# Altium PCB PCB.PcbDoc (part 1 of 2)
Units mm, origin at the board's own origin, x right, y up, seen from the top; angles counter-clockwise.
Board outline 115.57 x 69.85 mm, 6 copper layers (Layer 1, Layer 2, Layer 3, Layer 4, Layer 5, Layer 6), stack 1.114 mm thick; 79 components, 52 nets, 254 pads, 1729 vias.
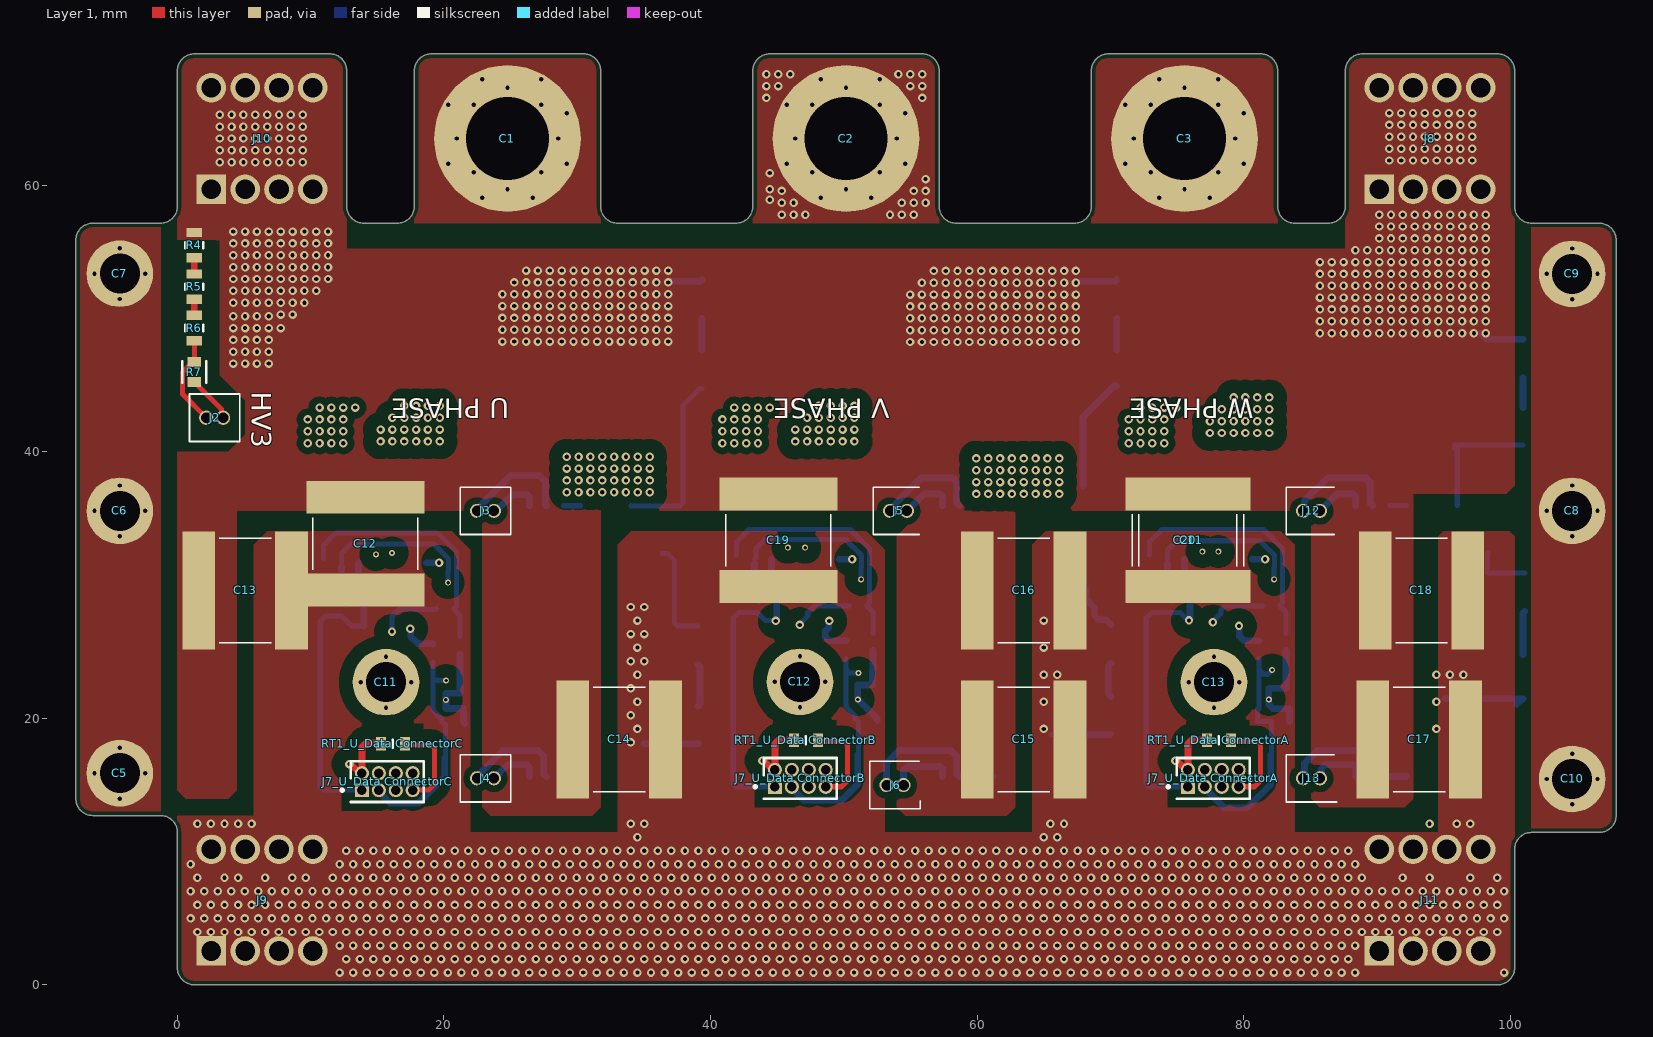
[diagram p0: Layer 1 view]
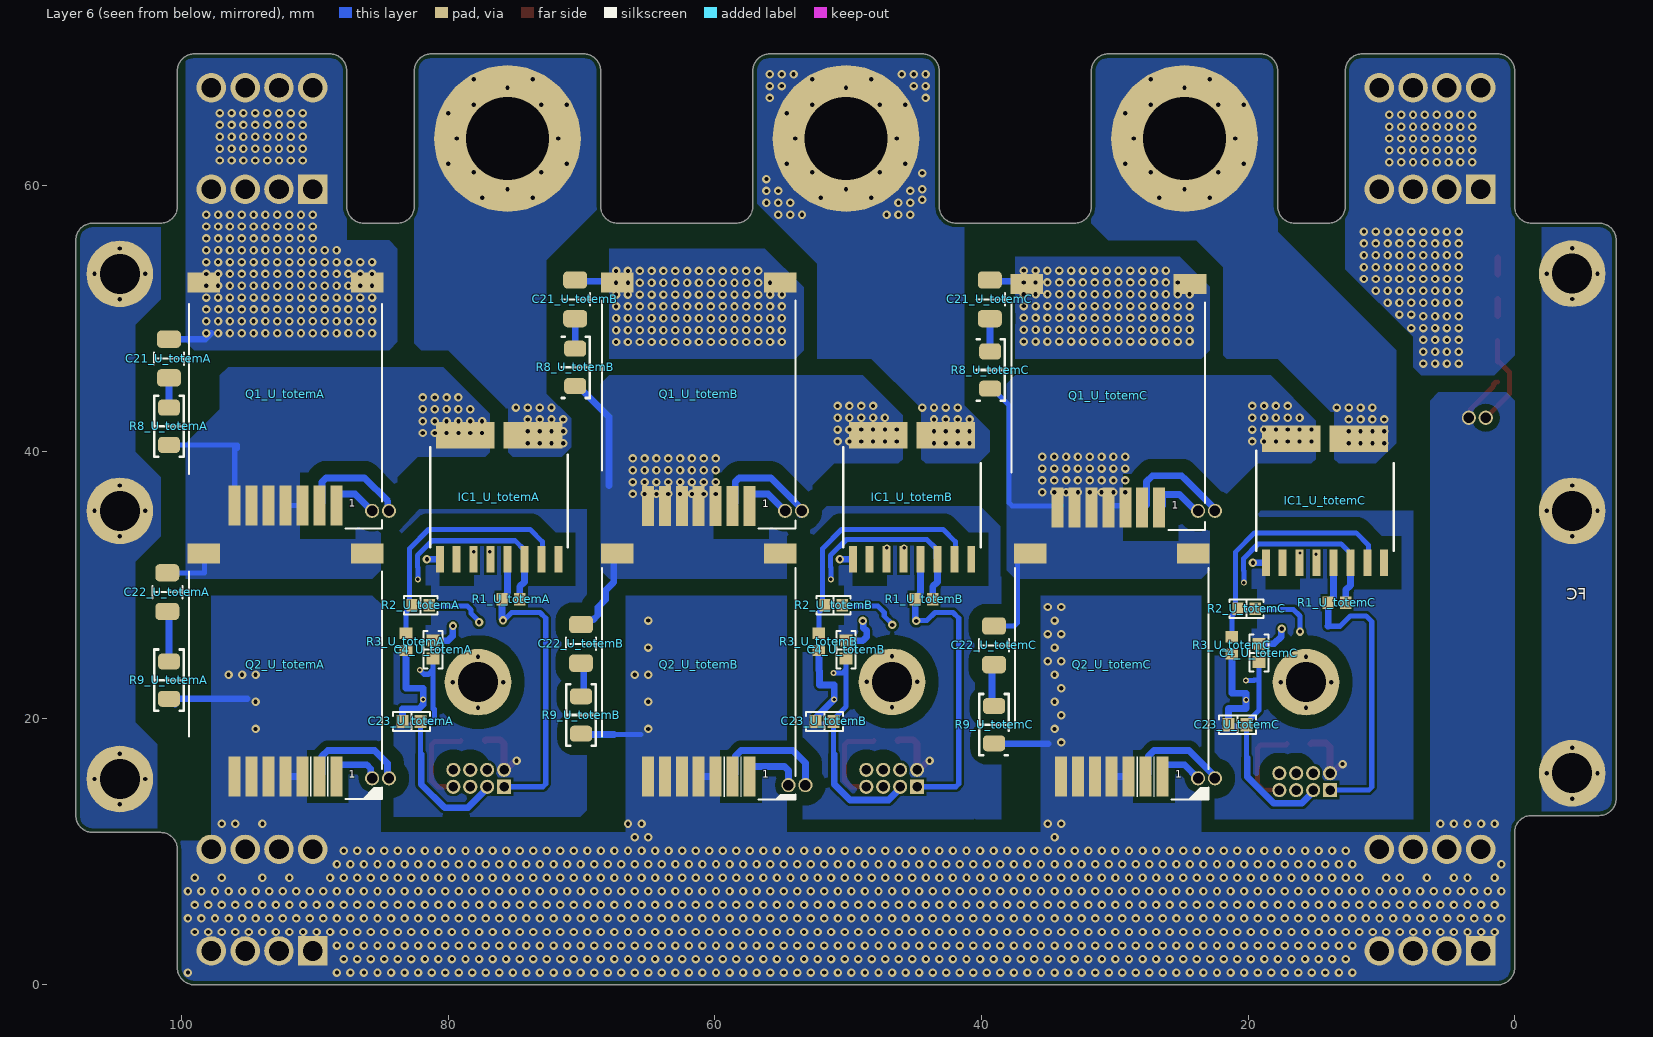
[diagram p1: Layer 6 view, seen from below]
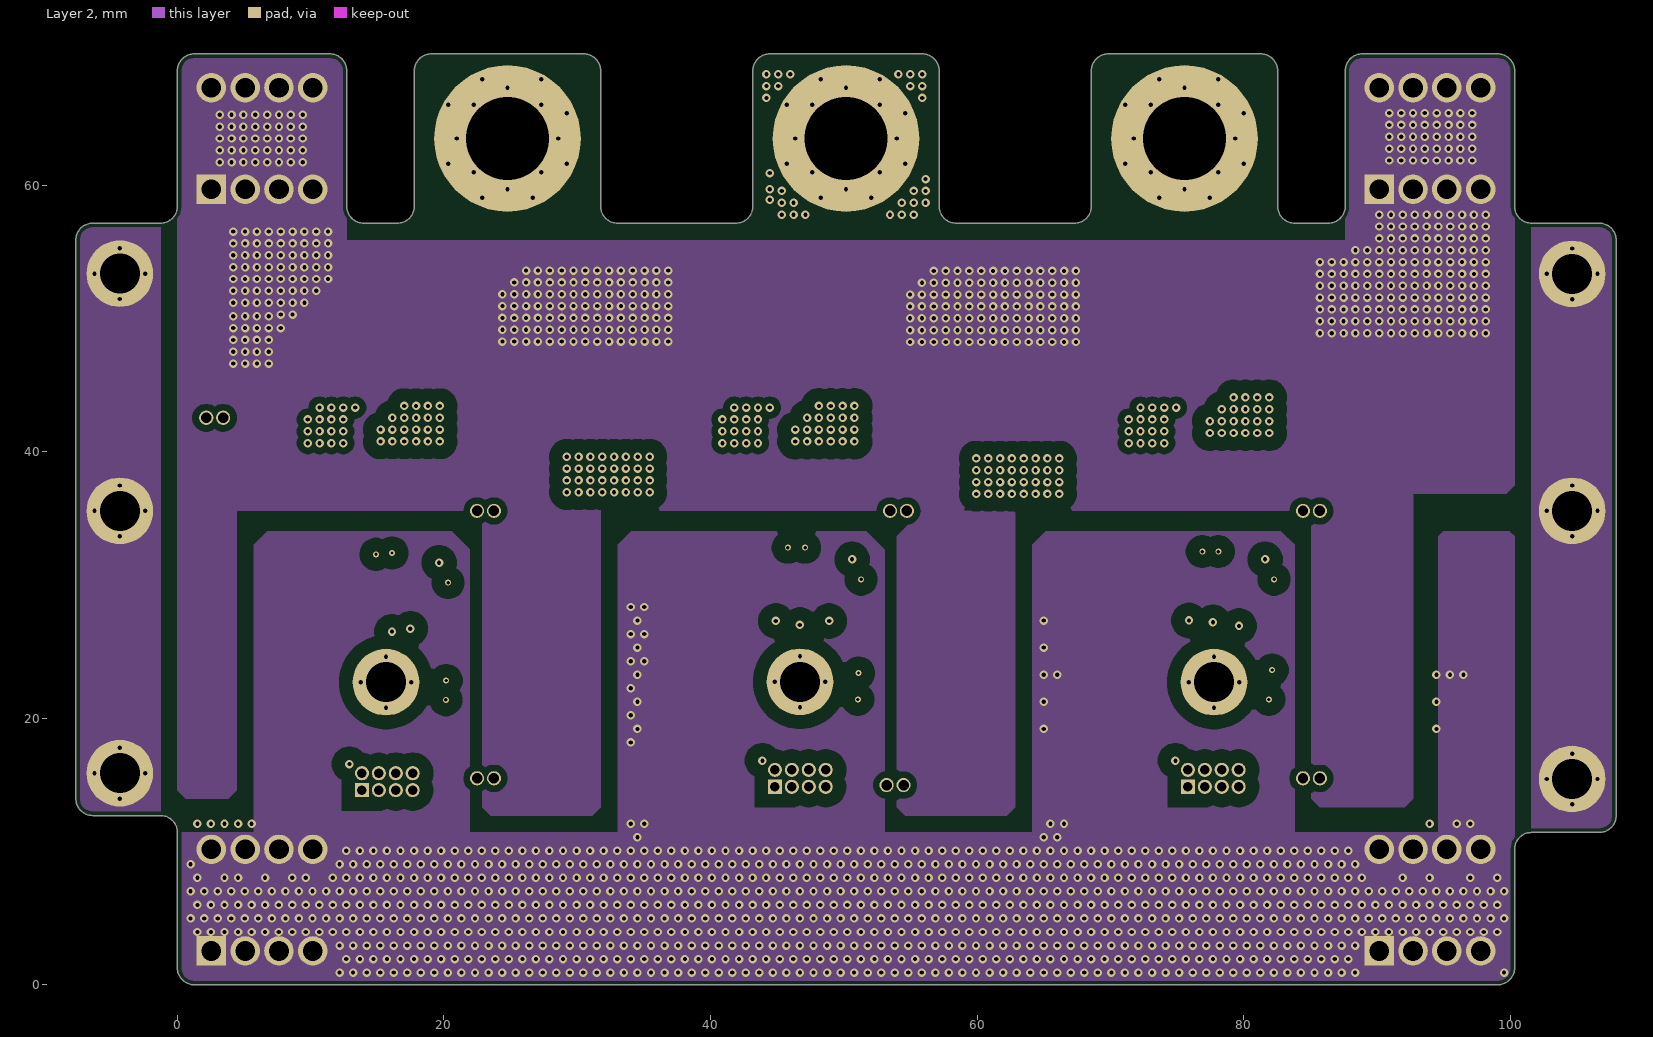
[diagram p2: Layer 2]
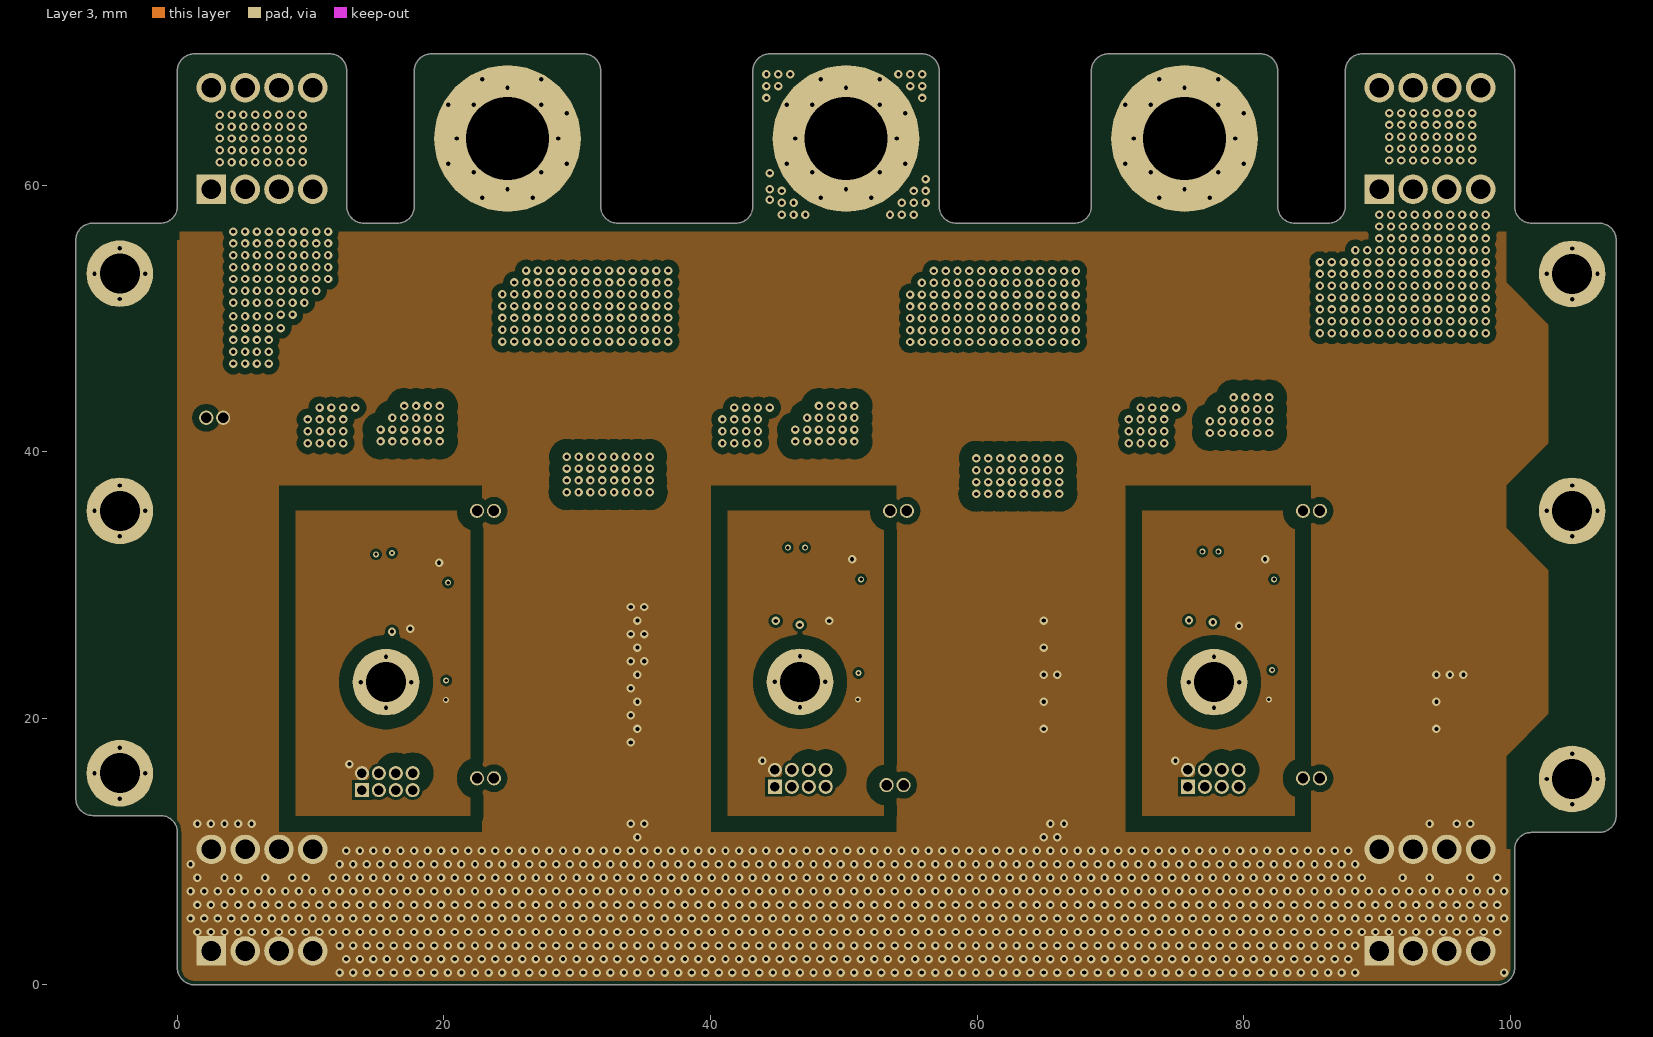
[diagram p3: Layer 3]
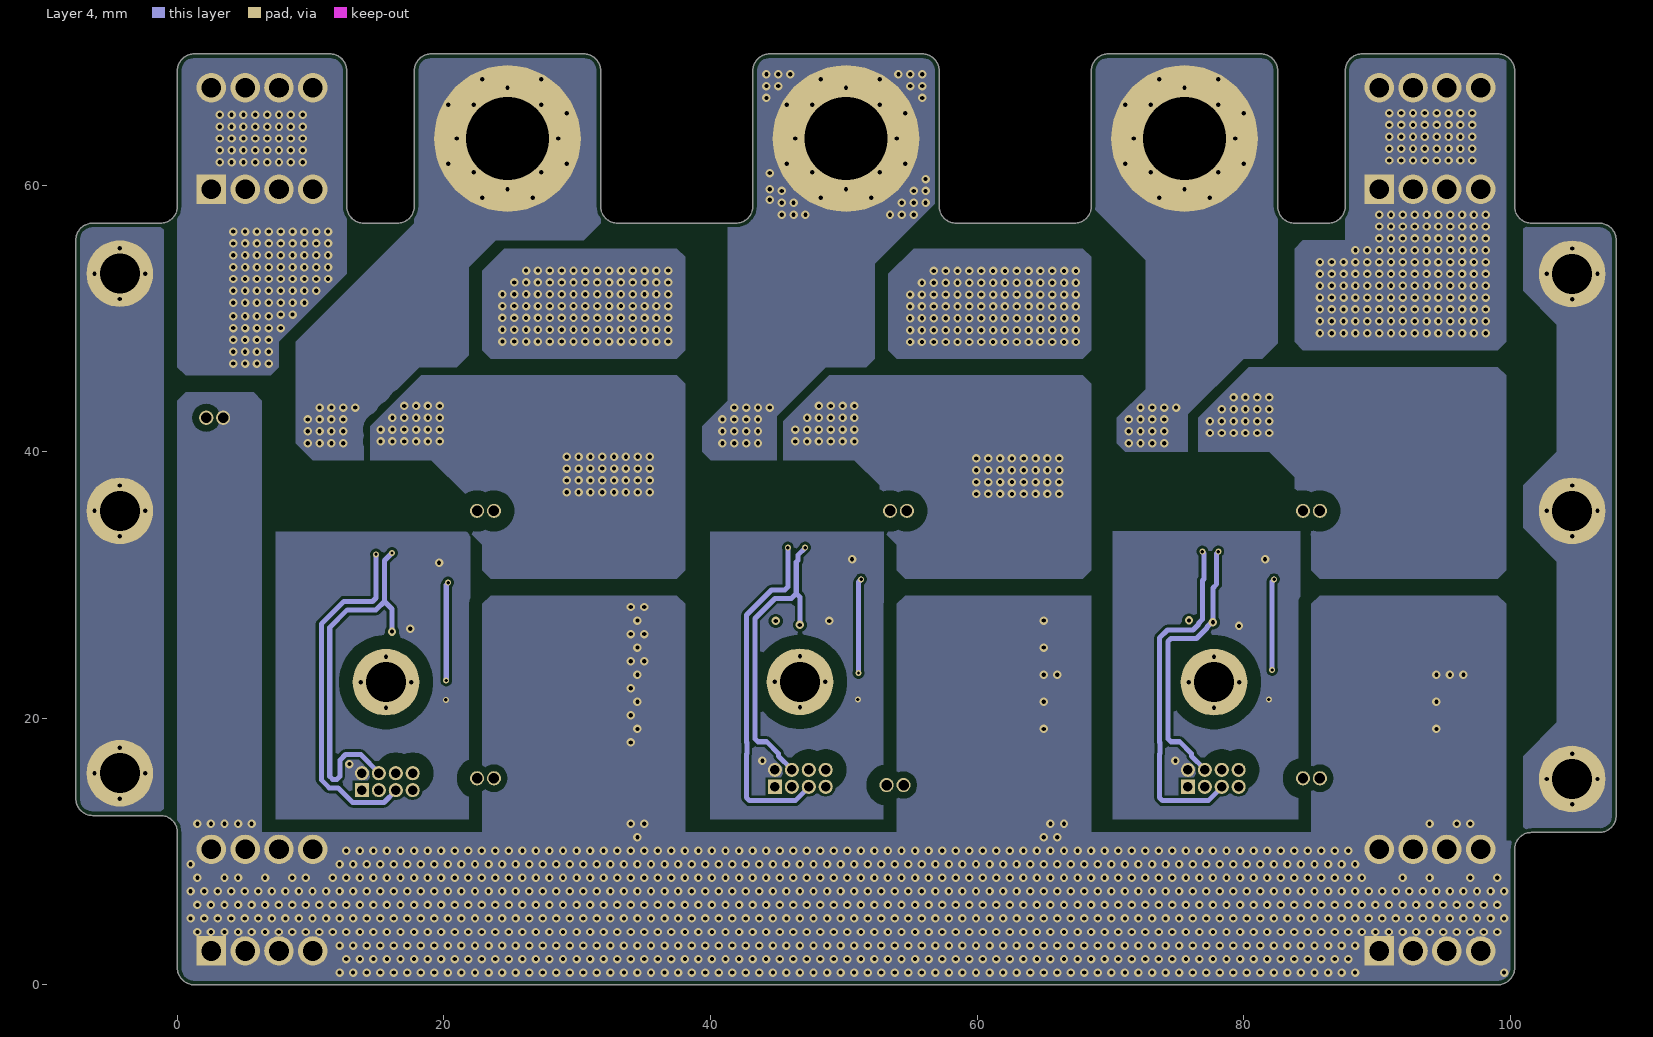
[diagram p4: Layer 4]
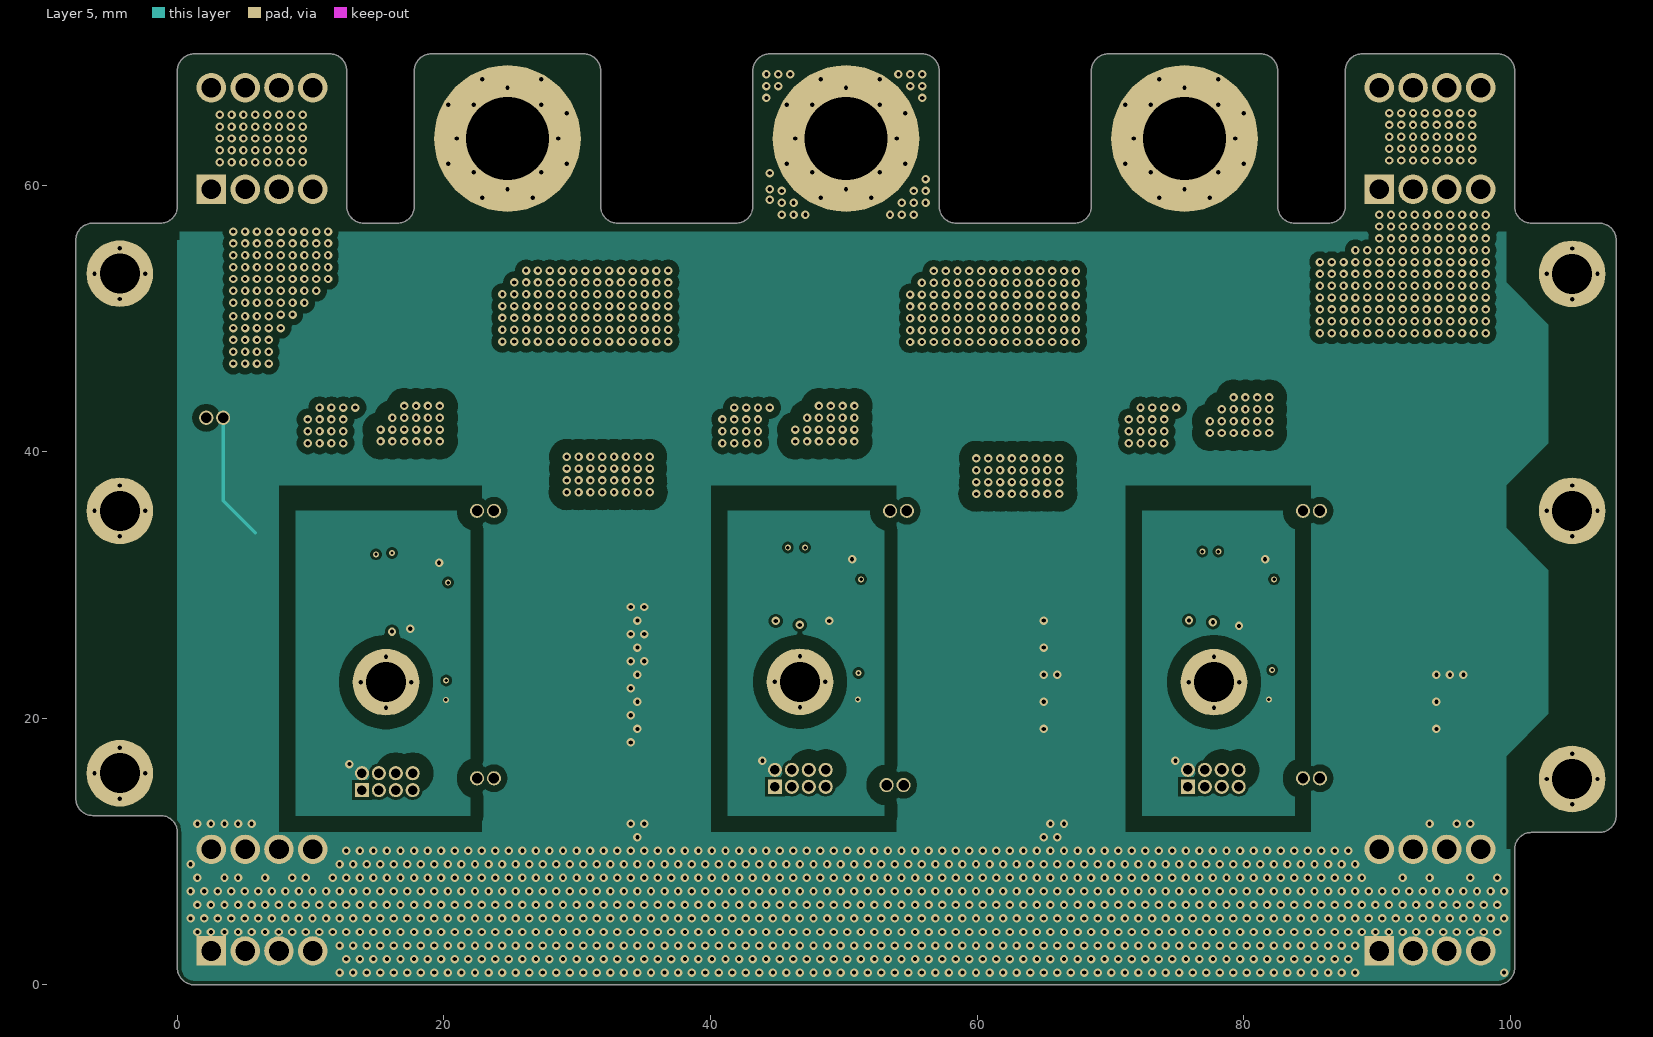
[diagram p5: Layer 5]
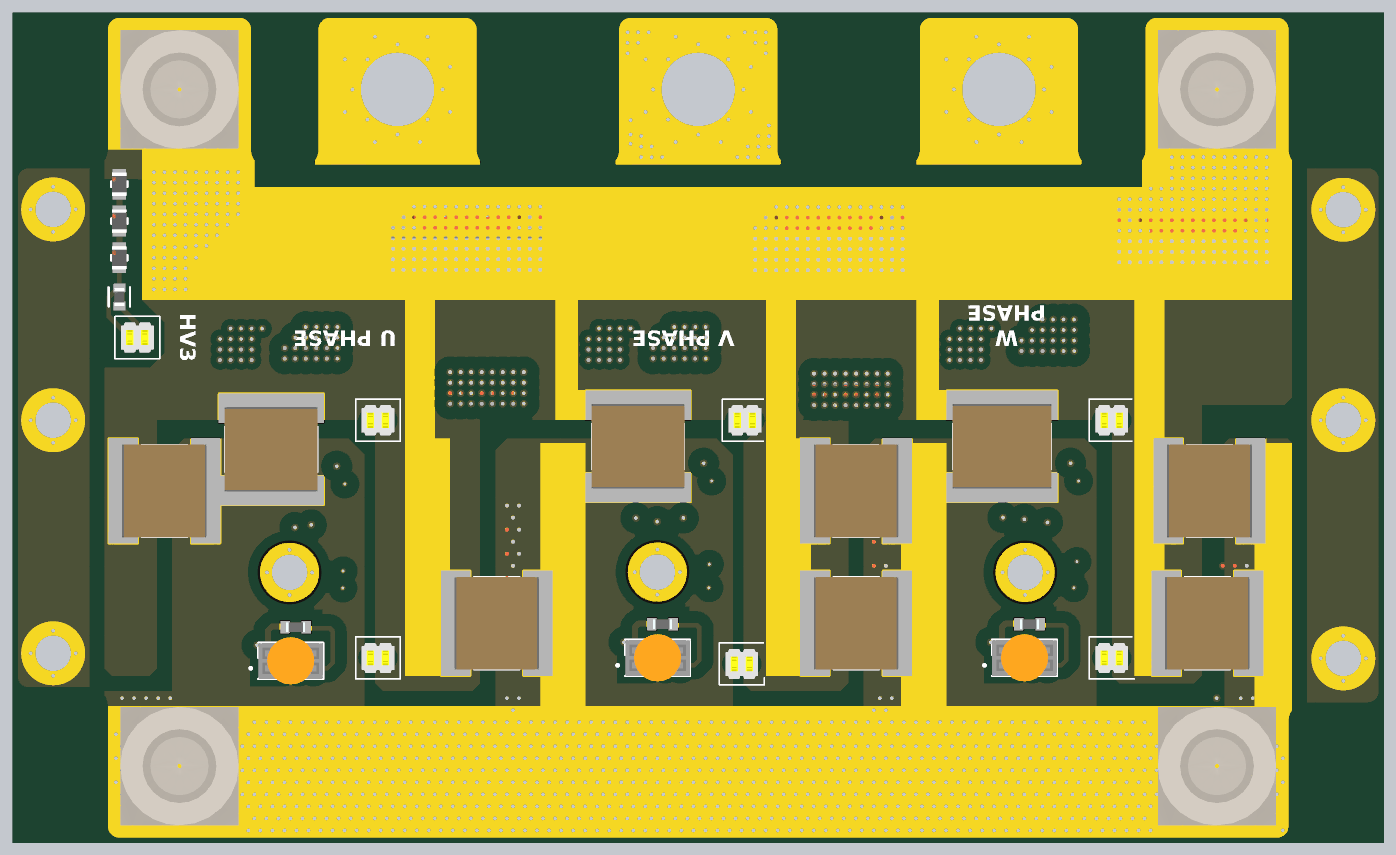
[diagram p7: 3D render of the assembled board from above, using the file's embedded part models]
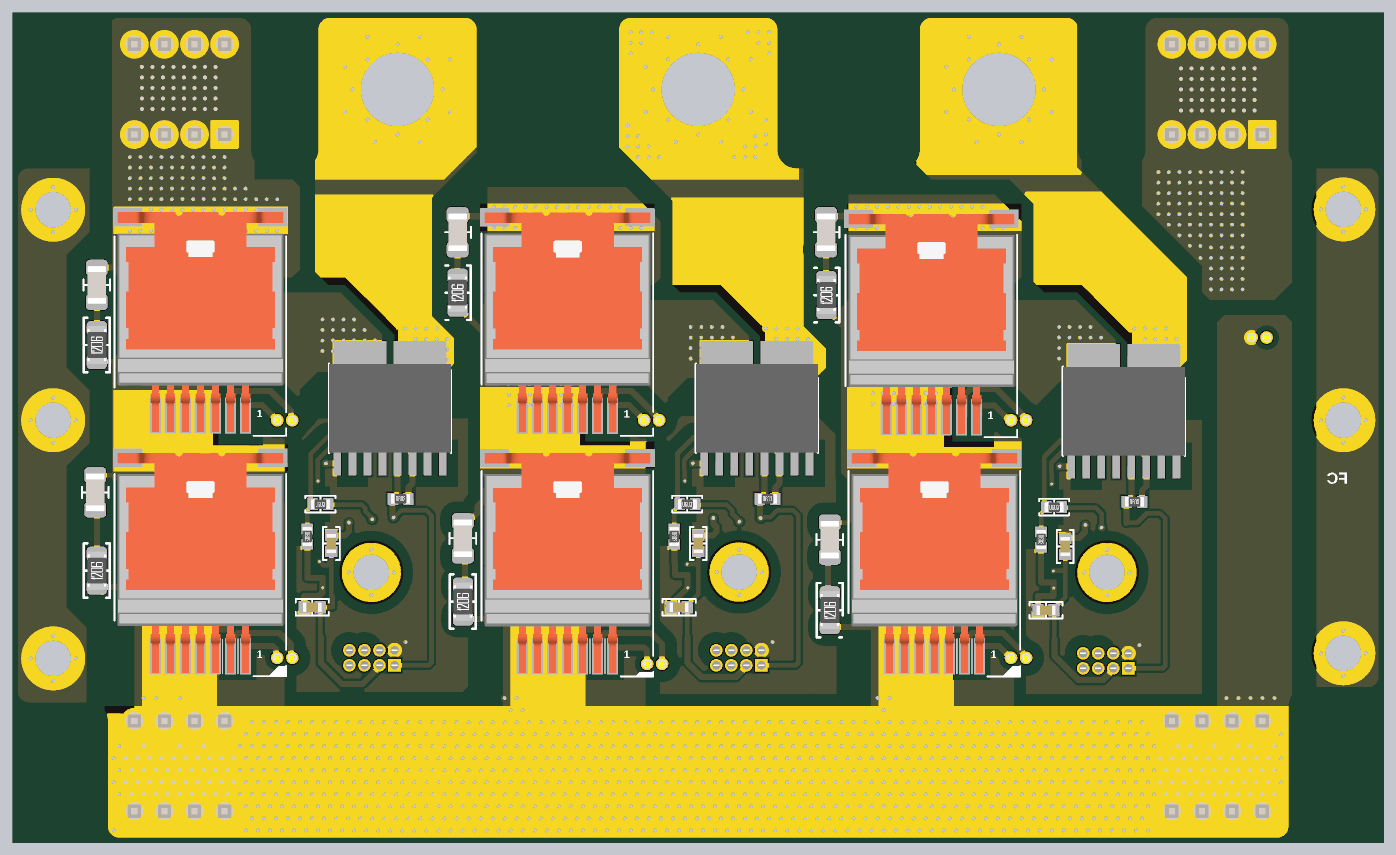
[diagram p8: 3D render of the assembled board from below, using the file's embedded part models]

## Layer stack, top to bottom
Top Solder: solder mask 0.0254, SM-001, Dk 4
Layer 1: signal copper 0.035
Dielectric 2: prepreg 0.0711, PP-006, Dk 4.1
Layer 2: signal copper 0.035
Dielectric 4: core 0.254, PP-006, Dk 4.1
Layer 3: signal copper 0.035
Dielectric 1: core 0.254, Core-043, Dk 4.6
Layer 4: signal copper 0.035
Dielectric 5: core 0.254, PP-006, Dk 4.1
Layer 5: signal copper 0.035
Dielectric 3: prepreg 0.0711, PP-006, Dk 4.1
Layer 6: signal copper 0.035
Bottom Solder: solder mask 0.0254, SM-001, Dk 4

## Board outline
-7.62,13.97 ccw(c-6.35,13.97) -6.35,12.7 -1.27,12.7 cw(c-1.27,11.43) 0,11.43 0,1.27 ccw(c1.27,1.27) 1.27,0 99.06,0 ccw(c99.06,1.27) 100.33,1.27 100.33,10.16 cw(c101.6,10.16) 101.6,11.43 106.68,11.43 ccw(c106.68,12.7) 107.95,12.7 107.95,55.88 ccw(c106.68,55.88) 106.68,57.15 101.6,57.15 cw(c101.6,58.42) 100.33,58.42 100.33,68.58 ccw(c99.06,68.58) 99.06,69.85 88.9,69.85 ccw(c88.9,68.58) 87.63,68.58 87.63,58.42 cw(c86.36,58.42) 86.36,57.15 83.82,57.15 cw(c83.82,58.42) 82.55,58.42 82.55,68.58 ccw(c81.28,68.58) 81.28,69.85 69.85,69.85 ccw(c69.85,68.58) 68.58,68.58 68.58,58.42 cw(c67.31,58.42) 67.31,57.15 58.42,57.15 cw(c58.42,58.42) 57.15,58.42 57.15,68.58 ccw(c55.88,68.58) 55.88,69.85 44.45,69.85 ccw(c44.45,68.58) 43.18,68.58 43.18,58.42 cw(c41.91,58.42) 41.91,57.15 33.02,57.15 cw(c33.02,58.42) 31.75,58.42 31.75,68.58 ccw(c30.48,68.58) 30.48,69.85 19.05,69.85 ccw(c19.05,68.58) 17.78,68.58 17.78,58.42 cw(c16.51,58.42) 16.51,57.15 13.97,57.15 cw(c13.97,58.42) 12.7,58.42 12.7,68.58 ccw(c11.43,68.58) 11.43,69.85 1.27,69.85 ccw(c1.27,68.58) 0,68.58 0,58.42 cw(c-1.27,58.42) -1.27,57.15 -6.35,57.15 ccw(c-6.35,55.88) -7.62,55.88

## Design rules (kind name [scope] priority, off if disabled: settings)
AcuteAngle [All] p1 off: minimum=6.00000000000000E+0001 checktracksonly=FALSE
AssemblyTestpoint [All] p1: testpointundercomponent=TRUE minsize=1.016 maxsize=2.54 preferedsize=1.524 minholesize=0 maxholesize=1.016 preferedholesize=0.813 testpointgrid=0.025 usegrid=TRUE gridtolerance=0 allowsidetop=TRUE
BackDrilling [All] p1: maxstublength=0.381 usetopbackdrill=TRUE usebottombackdrill=TRUE holeoversize=0.025 holetolplus=0 holetolminus=0
BoardOutlineClearance [All] p1: gap=0.305 ignorepadtopadclearanceinfootprint=FALSE
Clearance HV-LV [InNetClass('HV') vs InNetClass('LV')] p1: gap=1 ignorepadtopadclearanceinfootprint=TRUE
Clearance HV-HV [InNetClass('HV') vs InNetClass('HV')] p2: gap=0.2 ignorepadtopadclearanceinfootprint=TRUE except(0.5: Arc-Poly Track-Poly SMDPad-Poly THPad-Poly Via-Poly Fill-Poly Poly-Poly Poly-Undefined)
Clearance LV-LV [InNetClass('LV') vs InNetClass('LV')] p3: gap=0.2 ignorepadtopadclearanceinfootprint=FALSE
Clearance Manufacturable [All] p4: gap=0.203 ignorepadtopadclearanceinfootprint=FALSE except(1.016: Track-Poly SMDPad-Poly THPad-Poly Via-Poly)
ComponentClearance [All] p1 off: gap=0.127 collisioncheckmode=3 verticalgap=1.016 showdistances=FALSE checkcomponentboundary=TRUE
ComponentOrientations [All] p1: allowedrotations=32
DiffPairsRouting [All] p1: maxlimit=0.254 minlimit=0.254 mostfreqgap=0.254 toplayer_minwidth=0.381 toplayer_maxwidth=0.381 toplayer_prefwidth=0.381 midlayer1_minwidth=0.381 midlayer1_maxwidth=0.381 midlayer1_prefwidth=0.381 midlayer3_minwidth=0.381 midlayer3_maxwidth=0.381 midlayer3_prefwidth=0.381 midlayer4_minwidth=0.381 midlayer4_maxwidth=0.381 midlayer4_prefwidth=0.381 midlayer6_minwidth=0.381 midlayer6_maxwidth=0.381 midlayer6_prefwidth=0.381 bottomlayer_minwidth=0.381 bottomlayer_maxwidth=0.381 bottomlayer_prefwidth=0.381 maxuncoupledlength=12.7
FabricationTestpoint [All] p1: side=1 testpointundercomponent=FALSE minsize=1.016 maxsize=2.54 preferedsize=1.524 minholesize=0 maxholesize=1.016 preferedholesize=0.813 testpointgrid=0.025 allowsidetop=TRUE usegrid=TRUE gridtolerance=0
HoleSize [All] p1: absolutevalues=TRUE maxlimit=6.604 minlimit=0.2 maxpercent=80.000 minpercent=20.000
HoleToHoleClearance [All] p1: gap=0.127 allowstackedmicrovias=FALSE
Length [All] p1: maxlimit=254 minlimit=0
MatchedLengths MatchedLengthsPair [All] p1 off: tolerance=25.4 checknetsindiffpair=TRUE checkdiffpairvsdiffpair=FALSE checkxsignals=FALSE checkothers=FALSE usedelayunits=TRUE delaytolerance=30.000000
MatchedLengths MatchedLengthsGroup [InDifferentialPairClass('All Differential Pairs')] p2 off: tolerance=25.4 checknetsindiffpair=FALSE checkdiffpairvsdiffpair=TRUE checkxsignals=TRUE checkothers=TRUE usedelayunits=TRUE delaytolerance=50.000000
MaximumViaCount [All] p1 off: limit=100
MinimumAnnularRing [All] p1: minimumring=0.1
MinimumSolderMaskSliver [All] p1 off: minsoldermaskwidth=0.025
OvershootFalling [All] p1: maximum=300.0m
OvershootRising [All] p1: maximum=300.0m
ParallelSegment [All] p1: limit=25.4 gap=0.254
PasteMaskExpansion [All] p1: expansion=0.025
PermittedLayers [All] p1: toplayerpermitted=TRUE bottomlayerpermitted=TRUE
PlaneClearance [All] p1: clearance=0.635
PlaneConnect [All] p1: planeconnectstyle=Direct reliefexpansion=0.508 reliefentries=4 reliefconductorwidth=0.381 reliefairgap=0.254
PolygonConnect [All] p1: connectstyle=Direct reliefconductorwidth=0.381 reliefentries=4 polygonreliefangle="90 Angle" airgapwidth=0.254
ReturnPath [All] p1: _gaplimit=0
RoutingCorners [All] p1: cornerstyle=45-Degree minsetback=2.54 maxsetback=12.7
RoutingVias [All] p1: holewidth=0.381 width=0.762 viastyle="Through Hole" minholewidth=0.305 minwidth=0 maxholewidth=6.096 maxwidth=11.43
SMDEntry [All] p1: side=TRUE corner=TRUE anyangle=TRUE
SMDNeckDown [All] p1: percent=100.000
SMDToPlane [All] p1: distance=1000000
SignalStimulus [All] p1: kind=1 level=0 starttime=10.00n stoptime=60.00n periodtime=100.0n
SilkToSilkClearance [All] p1: silktosilkclearance=0.2
SilkToSolderMaskClearance [IsPad] p1: minsilkscreentomaskgap=0.015 clearancetoexposedcopper=FALSE
SolderMaskExpansion VIa [isvia] p1: expansion=0.102 istentingtop=TRUE
SolderMaskExpansion SolderMaskExpansion_1 [All] p2: expansion=0.102 istentingtop=FALSE
StubLength [All] p1: limit=12.7
SupplyNets "Schematic Supply Nets_7" [InNet('CHASSIS_R')] p1: voltage=0.000
SupplyNets "Schematic Supply Nets_6" [InNet('CHASSIS_L')] p2: voltage=0.000
SupplyNets "Schematic Supply Nets_5" [InNet('GND_U_Data ConnectorB')] p3: voltage=0.000
SupplyNets "Schematic Supply Nets_4" [InNet('3V_U_totemA')] p4: voltage=0.000
SupplyNets "Schematic Supply Nets_3" [InNet('3V_U_totemB')] p5: voltage=0.000
SupplyNets "Schematic Supply Nets_2" [InNet('3V_U_totemC')] p6: voltage=0.000
SupplyNets "Schematic Supply Nets_1" [InNet('GND_U_Data ConnectorC')] p7: voltage=0.000
SupplyNets "Schematic Supply Nets" [InNet('GND_U_Data ConnectorA')] p8: voltage=0.000
UnConnectedPin [InNet('No Net') And HasFootprint('No Footprint')] p1 off: